# Allegro board Sparrow Core PCB v1.1.brd (continued)
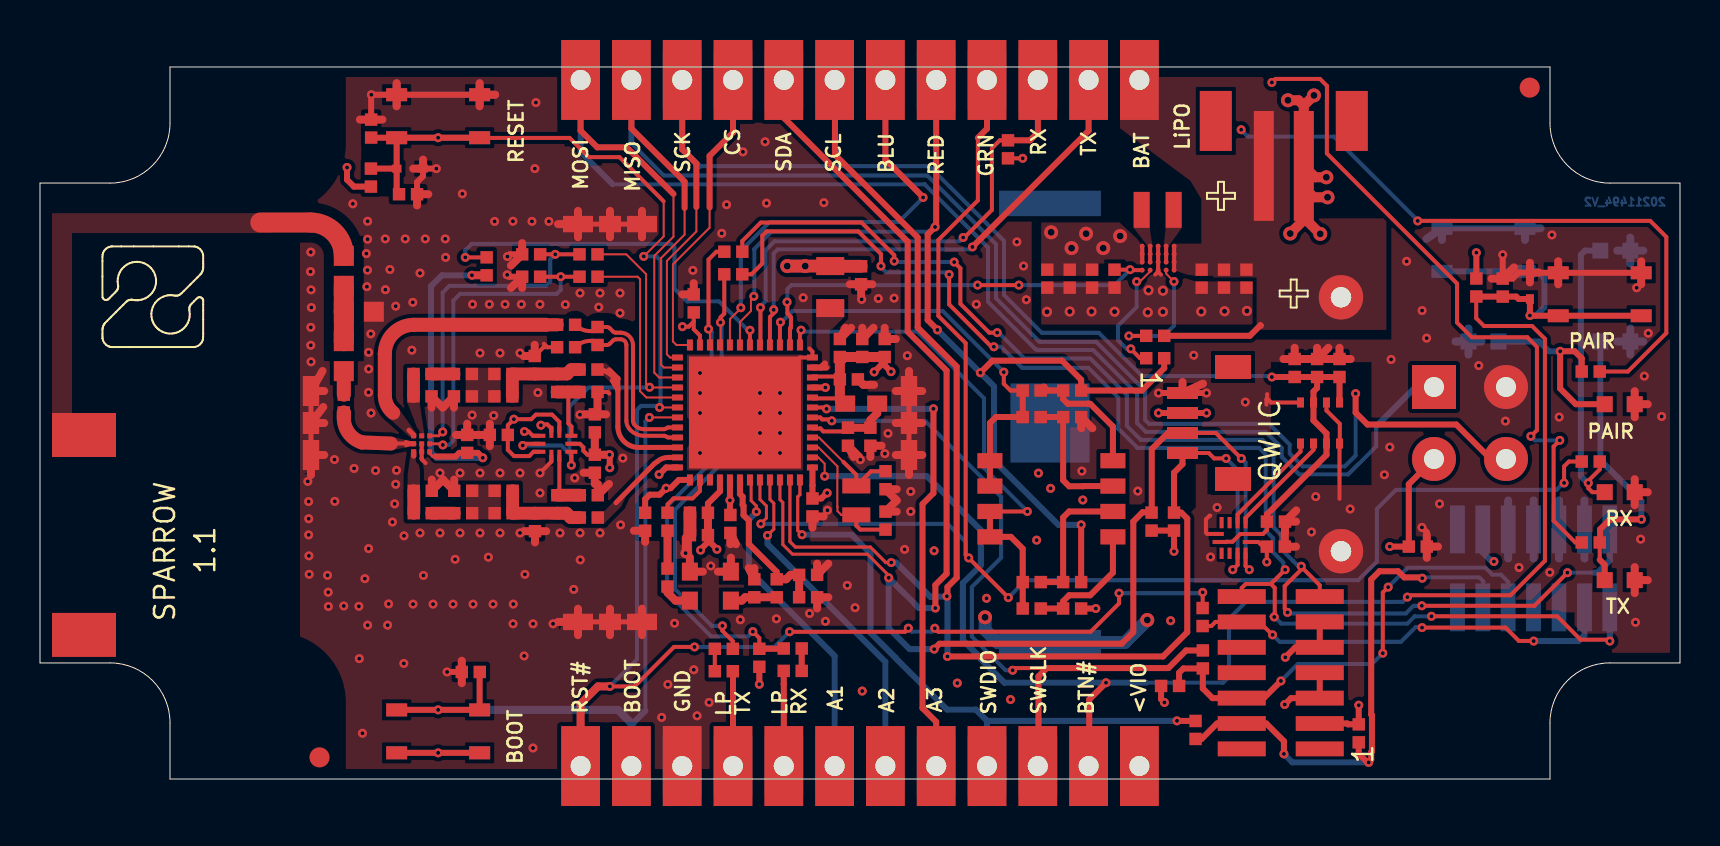
[diagram p0: board, top side]
## Placement (name value [footprint] x y rotation side) (continued)
NOREF#490  -  []  29.95 12.73 0 top
NOREF#491  -  []  39.51 23.56 90 top
NOREF#492  -  []  21.68 5.67 0 top
NOREF#493  -  []  19.16 28.94 90 top
NOREF#494  -  []  32.49 8.92 90 top
NOREF#495  -  []  73.14 24.13 90 top
NOREF#496  -  []  19 12.99 90 top
NOREF#497  -  []  39.23 1.3 0 top
NOREF#498  -  []  34.21 25.25 0 top
NOREF#499  -  []  24.42 25.94 90 top
NOREF#500  -  []  14.69 20.91 0 top
NOREF#501  -  []  32.69 23.34 90 top
NOREF#502  -  []  22.41 20.57 0 top
NOREF#503  -  []  78.64 10.35 0 top
NOREF#504  -  []  39.99 19.99 0 top
NOREF#505  -  []  69.57 25.07 0 top
NOREF#506  -  []  49.45 19.12 90 top
NOREF#507  -  []  56.28 29.37 0 top
NOREF#508  -  []  41.92 21.42 0 top
NOREF#509  -  []  59.25 21.51 0 top
NOREF#510  -  []  41.52 16.67 90 top
NOREF#511  -  []  22.8 16.9 90 top
NOREF#512  -  []  32.5 12.2 0 top
NOREF#513  -  []  35.72 9.09 90 top
NOREF#514  -  []  15.19 18.33 90 top
NOREF#515  -  []  21.67 16.9 90 top
NOREF#516  -  []  77.4 20.07 90 top
NOREF#517  -  []  19.9 14.11 90 top
NOREF#518  -  []  79.91 21.49 90 top
OBJ2  NU  [J-S1001-46R]  13.55 17.81 90 top
OBJ3  NU  [J-S1001-46R]  43.45 17.81 90 top
OBJ4  NU  [J-S1001-46R]  28.5 27.76 0 top
OBJ5  NU  [J-S1001-46R]  28.5 7.86 0 top
PB1  NU  [PB-SKRPA]  19.91 2.38 180 top
PB2  PB-SKRPADE010  [PB-SKRPA]  77.99 24.25 0 top
PB3  NU  [PB-SKRPA]  19.91 33.16 0 top
PB4  NU  [PB-SKRPA]  72.17 26.47 180 bottom
PB5  NU  [PB-SKRPA]  19.91 2.38 0 bottom
PB6  NU  [PB-SKRPA]  19.91 33.16 180 bottom
R1  49.9R  [RS-0402]  34.19 6.51 180 top
R2  49.9R  [RS-0402]  34.19 5.39 0 top
R3  49.9R  [RS-0402]  37.64 6.53 0 top
R4  49.9R  [RS-0402]  37.64 5.41 180 top
R5  10M/5%  [RS-0402]  55.76 22.17 180 top
R6  10M/5%  [RS-0402]  55.76 21.05 180 top
R7  NU  [RS-0402]  56.7 12.88 270 top
R8  NU  [RS-0402]  55.58 12.88 270 top
R9  10k  [RS-0402]  65.94 2.29 270 top
R10  49.9R  [RS-0402]  57.78 2.45 90 top
R11  49.9R  [RS-0402]  58.14 5.98 90 top
R12  49.9R  [RS-0402]  58.13 8.1 90 top
R13  10k  [RS-0402]  56.5 4.66 0 top
R14  200R  [RS-0402]  77.54 11.83 0 top
R15  10k  [RS-0402]  48.4 31.5 270 top
R16  10k  [RS-0402]  35.97 6.07 270 top
R17  200R  [RS-0402]  77.54 15.88 0 top
R18  49.9R  [RS-0402]  77.54 20.38 180 top
R19  22R  [RS-0402]  31.38 10.08 270 top
R20  10k  [RS-0402]  71.82 24.59 90 top
R21  10k  [RS-0402]  16.55 30.08 270 top
R22  10k  [RS-0402]  21.54 5.36 0 top
R23  1k  [RS-0402]  51.61 19.43 0 top
R24  10k  [RS-0402]  51.61 18.11 0 top
R25  1k  [RS-0402]  51.61 9.85 0 top
R26  10k  [RS-0402]  51.61 8.53 0 top
R27  NU  [RS-0402]  49.59 18.11 180 top
R28  NU  [RS-0402]  49.59 8.53 180 top
R29  NU  [RS-0402]  49.59 9.85 180 top
R30  NU  [RS-0402]  49.59 19.43 180 top
R31  100R  [RS-0402]  27.43 26.25 180 top
R32  100R  [RS-0402]  27.43 25.13 0 top
R33  0R  [FRACTUS-0404]  15.19 21.16 270 top
R34  100R  [RS-0402]  22.33 25.65 90 top
R35  NU  [RS-0402]  62.73 20.56 270 top
R36  0R  [RS-0402]  15.19 18.78 270 top
R37  NU  [RS-0402]  34.67 26.38 0 top
R38  NU  [RS-0402]  34.66 25.25 0 top
TVS1  ESD5Z5.0T1G  [SOD523]  74.5 24.67 90 top
TVS2  NU  [SOD523]  18.49 30.53 0 top
U1  RP605Z333B-E2-F  [XFBGA20]  55.91 26.06 270 top
U2  NU  [IC-BME280]  64 17.81 270 top
U3  STM32WL55CCU7  [UFQFPN48-EXP-0700X0700]  35.25 18.34 270 top
U4  TS3A5223RSWR  [UFQFN10-0180X0140]  25.77 16.77 270 top
U5  NU  [TO5-4]  71.5 17.81 0 top
U6  BGS13S4N9E6327XTSA1  [XFLGA9]  19.08 16.77 180 top
U7  NU  [UFQFN12-0180X0180]  59.68 12.06 180 top
Y1  ABS06-107-32.768KHZ-T  [Y-ABS06]  40.81 13.94 90 top
Y2  TYETBCSANF-32.000000  [Y-TYETBCSANF]  33.52 9.65 180 top

## Library data of the parts
ANT1 = ANT - NN02-224 - LTE-GNSS-BL
BAT1 = PORTA BATTERIA - 2468
BAT2 = PORTA BATTERIA - 3034-2032
C1 = CS-C-0402-22u/6.3V/X5R
C2 C5 = CS-C-0402-1u/16-X5R
C3 C6-C9 C14 C22 C23 C25 C28 C29 C49 C53 = CS-C-0402-100n/16V
C4 = CS-C-0402-10u/6V3-X5R
C10 C20 = CS-C-0402-4.7u/6V3-X5R: room: DC-DC 1V8
C11 C13 C19 C32 C40 = CS-C-0402-100n/16V: room: USB
C12 = CS-C-0402-4.7u/6V3-X5R
C15 C16 = CS-C-0402-4p/50V-C0G
C17 = CS-C-0402-10p/50V-NP0
C18 = CS-C-0402-3.6p/50V-C0G
C24 = CS-C-0402-68p/50V-C0G
C26 C30 C31 C37 C39 C41 C42 = CS-C-0402-33p/50V-C0G
C27 = CS-C-0402-470n/10V-X5R
C33 = CS-C-0402-47n/25V
C34 = CS-C-0402-47p/50V-C0G
C35 C36 C47 = CS-C-0402-2.7p/50V-C0G
C38 = CS-C-0402-2.4p/50V-C0G
C43 = CS-C-0402-6.8p/50V-C0G
C44 = CS-C-0402-5.6p/50V-C0G
C45 = CS-C-0402-3.9p/50V-C0G
C46 = CS-C-0402-3.3p/50V-C0G
C48 = CS-C-0402-1.3p/50V-C0G
C50-C52 = CS-C-0402-1n/50V
C54 C55 = CS-C-0402-100n/16V: room: MODEM
DSW1 = DIP-SW-4x-0127-SMD
FID1 FID2 = FIDUCIAL
J1 J2 = STRIP-J-12-0254 - FDT
J3 = PH - J-2-0200-MDS-B2B-PH-SM4
J4 = SH - J-4-0100-MDS-SH-BM04B
J5 J6 = STRIP-J-7X2-0127-MDS-21691
L1 = L - 1285AS-H-2R2M=P2-2.2u/1.5A
L2 = FIL-BLM18AG102SN1-1k/0.4A
L3 = L - LQM21DN150M70L-15u/0.25A
L4 R33 R36-R38 = RS-0402-0r
L5 = L -MLG1005S11NJT000-11n/0.4A
L6 L12 = L - L-07C3N3SV6T-3.3n/0.3A
L7 = L -PE-0402CL3N6STT-3.6n/0.3A
L8 L11 = L - LQW15AN47NJ00D - 47n/0.21A
L9 = L - LQG15HS3N0S02D-3n/0.8A
L10 = L -LQG15WZ8N7J02D-8.7n/0.55A
L13 = L - L-07C6N8JV6T-6.8n/0.25A
L14 = L -LQW18AN19NG80-19n/1.4A
L15 = L -LQW15AN5N7G80-5.7n/1.77A
LD1 LD4 = LED R - GENERICO - 0603
LD2 LD5 = LED V - GENERICO - 0603
LD3 LD6 = LED BL - LBQ39E - 0603
OBJ2-OBJ5 = SUPPORT RF SHIELD - S1001-46R
PB1-PB6 = PB-SPST-SKRPADE010
R1-R4 R18 = RS-0402-49.9r
R5 R6 = RS-0402-10M/5%
R7 R8 = RS-0402-4.7k
R9 R13 R15 R16 R20-R26 = RS-0402-10k
R10-R12 = RS-0402-49.9r: room: DEBUG BLUETOOTH
R14 R17 = RS-0402-200r
R19 = RS-0402-22r
R27-R30 = RS-0402
R31 R32 R34 = RS-0402-100r
R35 = RS-0402-2.2M
TVS1 TVS2 = TVS-UNI - ESD5Z5.0T - 5V/174W
U1 = BUCK-BOOST-RP605Z333B-0.3A/3V3
U2 = SEN-TEMP-PRS-HUM - BME280
U3 = UC-48P - STM32WL55CCU7
U4 = ASW-2x2-1- TS3A5223RSWR
U5 = SEN-PIR - PYD 1598/7655
U6 = RF-SW - BGS13S4N9E6327XTSA1
U7 = LEVEL SHIFTER-4x - FXMAR2104UMX: room: MODEM
Y1 = QUARZO-ABS06-107-32.768KHZ-T
Y2 = OSCILLATORE - TYETBCSANF-32MHz

## Footprints (pads in the part's own frame, mm; a bottom-side part is the same pattern mirrored in y, then rotated)
ANT-NN02-224
  rect 2.2x3.2 smd: 1(5,0) 2(-5,0)
BATHLD-2468-NOMECC
  round 2.22 hole 1.02: 1(23.9,-6.35) 2(23.9,6.35)
BATHLD-3034-2032
  rect 1.27x5.08 smd: 1(-10.985,0) 2(10.985,0)
  rect 3.96x3.96 smd: 3(0,0)
CS-C-0402
  rect 0.62x0.62 smd: 1(-0.45,0) 2(0.45,0)
DSS-4-0127-MCDHN
  rect 0.76x1.25 smd: 1(-1.905,-3.075) 2(-0.635,-3.075) 3(0.635,-3.075) 4(1.905,-3.075) 5(1.905,3.075) 6(0.635,3.075) 7(-0.635,3.075) 8(-1.905,3.075)
FIDUCIAL
  round 1 smd: 1(0,0)
FRACTUS-0404
  rect 1x1 smd: 1(-0.75,0) 2(0.75,0)
IC-BME280
  rect 0.5x0.35 smd: 1(1.025,0.975) 2(1.025,0.325) 3(1.025,-0.325) 4(1.025,-0.975) 5(-1.025,-0.975) 6(-1.025,-0.325) 7(-1.025,0.325) 8(-1.025,0.975)
J-2-0200-MDS-B2B-PH-SM4
  rect 1.6x3 smd: (-5.4,2.25) (1.4,2.25)
  rect 1x5.5 smd: 1(-3,0) 2(-1,0)
J-4-0100-MDS-SH
  rect 1.2x1.8 smd: (-1.3,2.525) (4.3,2.525)
  rect 0.6x1.55 smd: 1(0,0) 2(1,0) 3(2,0) 4(3,0)
J-7X2-0127-MDS-21691
  rect 0.74x2.4 smd: 1(-3.81,-1.95) 2(-3.81,1.95) 3(-2.54,-1.95) 4(-2.54,1.95) 5(-1.27,-1.95) 6(-1.27,1.95) 7(0,-1.95) 8(0,1.95) 9(1.27,-1.95) 10(1.27,1.95) 11(2.54,-1.95) 12(2.54,1.95) 13(3.81,-1.95) 14(3.81,1.95)
J-12-0254-FDT-H0508_EDGE
  rect 1.94x4 hole 1: 1(-13.97,-0.65) 2(-11.43,-0.65) 3(-8.89,-0.65) 4(-6.35,-0.65) 5(-3.81,-0.65) 6(-1.27,-0.65) 7(1.27,-0.65) 8(3.81,-0.65) 9(6.35,-0.65) 10(8.89,-0.65) 11(11.43,-0.65) 12(13.97,-0.65)
J-S1001-46R
  rect 1.5x0.82 smd: 1(-1.6,0) 3(1.6,0)
  rect 1.1x0.82 smd: 2(0,0)
LD-0603
  rect 0.8x0.8 smd: 1(-0.75,0) 2(0.75,0)
LS-0402
  rect 0.62x0.62 smd: 1(-0.45,0) 2(0.45,0)
LS-0603
  rect 1x0.8 smd: 1(-0.8,0) 2(0.8,0)
LS-0805
  rect 0.9x1.4 smd: 1(-1.05,0) 2(1.05,0)
LS-0806
  rect 0.8x1.8 smd: 1(-0.8,0) 2(0.8,0)
PB-SKRPA
  rect 1.05x0.65 smd: 1(-2.075,1.075) 2(2.075,1.075) 3(-2.075,-1.075) 4(2.075,-1.075)
RS-0402
  rect 0.62x0.62 smd: 1(-0.45,0) 2(0.45,0)
SOD523
  rect 0.48x0.4 smd: 1(-0.66,0) 2(0.66,0)
TO5-4
  rect 2.2x2.2 hole 1: 1(-1.8,1.8)
  round 2.2 hole 1: 2(-1.8,-1.8) 3(1.8,-1.8) 4(1.8,1.8)
UFQFN10-0180X0140
  rect 0.6x0.2 smd: 1(-0.6,0.2) 2(-0.6,-0.2) 6(0.6,-0.2) 7(0.6,0.2)
  rect 0.2x0.6 smd: 3(-0.4,-0.8) 4(0,-0.8) 5(0.4,-0.8) 8(0.4,0.8) 9(0,0.8) 10(-0.4,0.8)
UFQFN12-0180X0180
  rect 0.588x0.2 smd: 1(-0.756,0.2)
  rect 0.563x0.2 smd: 2(-0.768,-0.2) 7(0.768,-0.2) 8(0.768,0.2)
  rect 0.2x0.563 smd: 3(-0.6,-0.768) 4(-0.2,-0.768) 5(0.2,-0.768) 6(0.6,-0.768) 9(0.6,0.768) 10(0.2,0.768) 11(-0.2,0.768) 12(-0.6,0.768)
UFQFPN48-EXP-0700X0700
  rect 0.55x0.3 smd: 1(-3.375,2.75) 2(-3.375,2.25) 3(-3.375,1.75) 4(-3.375,1.25) 5(-3.375,0.75) 6(-3.375,0.25) 7(-3.375,-0.25) 8(-3.375,-0.75) 9(-3.375,-1.25) 10(-3.375,-1.75) 11(-3.375,-2.25) 12(-3.375,-2.75) 25(3.375,-2.75) 26(3.375,-2.25) 27(3.375,-1.75) 28(3.375,-1.25) 29(3.375,-0.75) 30(3.375,-0.25) 31(3.375,0.25) 32(3.375,0.75) 33(3.375,1.25) 34(3.375,1.75) 35(3.375,2.25) 36(3.375,2.75)
  rect 0.3x0.55 smd: 13(-2.75,-3.375) 14(-2.25,-3.375) 15(-1.75,-3.375) 16(-1.25,-3.375) 17(-0.75,-3.375) 18(-0.25,-3.375) 19(0.25,-3.375) 20(0.75,-3.375) 21(1.25,-3.375) 22(1.75,-3.375) 23(2.25,-3.375) 24(2.75,-3.375) 37(2.75,3.375) 38(2.25,3.375) 39(1.75,3.375) 40(1.25,3.375) 41(0.75,3.375) 42(0.25,3.375) 43(-0.25,3.375) 44(-0.75,3.375) 45(-1.25,3.375) 46(-1.75,3.375) 47(-2.25,3.375) 48(-2.75,3.375)
  rect 5.6x5.6 smd: 49(0,0)
unnamed#2
  round 0 hole 2.5 unplated: (0,0)
XFBGA20
  round 0.245 smd: A1(-0.6,0.8) A2(-0.6,0.4) A3(-0.6,0) A4(-0.6,-0.4) A5(-0.6,-0.8) B1(-0.2,0.8) B2(-0.2,0.4) B3(-0.2,0) B4(-0.2,-0.4) B5(-0.2,-0.8) C1(0.2,0.8) C2(0.2,0.4) C3(0.2,0) C4(0.2,-0.4) C5(0.2,-0.8) D1(0.6,0.8) D2(0.6,0.4) D3(0.6,0) D4(0.6,-0.4) D5(0.6,-0.8)
XFLGA9
  rect 0.25x0.25 smd: 1(-0.4,-0.4) 2(0,-0.4) 3(0.4,-0.4) 4(0.4,0) 5(0.4,0.4) 6(0,0.4) 7(-0.4,0.4) 8(-0.4,0) 9(0,0)
Y-ABS06
  rect 0.75x1.4 smd: 1(-0.725,0) 2(0.725,0)
Y-TYETBCSANF
  rect 0.8x0.9 smd: 1(-1.025,-0.725) 2(1.025,-0.725) 3(1.025,0.725) 4(-1.025,0.725)

## Nets
GND: BAT1.2 BAT2.3(-) C1.2 C2.2 C3.2 C4.2 C5.2 C6.2 C7.2 C8.2 C9.2 C10.1 C11.1 C12.1 C13.1 C14.1 C15.1 C16.1 C19.2 C20.2 C22.2 C23.2 C24.2 C25.1 C26.2 C27.2 C28.2 C29.2 C30.2 C31.2 C32.2 C33.2 C34.2 C35.1 C40.2 C41.2 C42.2 C43.2 C44.2 C45.2 C46.2 C47.2 C48.2 C49.2 C50.2 C51.2 C52.2 C53.2 C54.2 C55.2 J1.10 J3.2 J4.1 J5.5 J5.7 J5.9 J5.11 J6.5 J6.7 J6.9 J6.11 L15.2 LD1.1(C) LD2.1(C) LD3.1(C) LD4.1(C) LD5.1(C) LD6.1(C) OBJ2.1 OBJ2.2 OBJ2.3 OBJ3.1 OBJ3.2 OBJ3.3 OBJ4.1 OBJ4.2 OBJ4.3 OBJ5.1 OBJ5.2 OBJ5.3 PB2.1 PB2.2 PB3.1 PB3.2 PB4.1 PB4.2 PB6.1 PB6.2 R13.1 R22.1 R24.2 R26.2 R35.1 TVS1.2 TVS2.2 U1.A3 U1.B3 U1.C3 U1.D3 U2.1 U2.5 U2.7 U3.48 U3.49(VSS_EP) U4.6 U5.4(VSS) U6.6 U6.9 U7.7 Y2.1 Y2.2
VBAT: BAT1.1 BAT2.1 BAT2.2 C4.1 C5.1 C6.1 J2.12 J3.1 R5.1 U1.A1 U1.B1 U1.C1 U1.D1
VDDPA: C31.1 U3.25 U4.3
VDDRF1V55: C27.1 C30.1 L3.2 U3.29 U3.45 U4.2
+VIO: C1.1 C2.1 C3.1 C10.2 C11.2 C14.2 C19.1 C20.1 C25.2 C26.1 C40.1 C49.1 C53.1 C55.1 J1.1 J4.2 J5.3 J6.3 L2.1 PB1.1 PB1.2 PB5.1 PB5.2 R7.2 R8.2 R9.1 R15.2 R16.2 R20.2 R21.2 U1.A5 U1.B5(VOUT_B) U1.C5 U3.11 U3.28 U3.37 U3.44 U3.46 U4.1(VCC) U4.5 U5.2 U7.1(VCCB)
A0: C7.1 U1.D5 U3.2
A1: J1.7 U3.31
A2: J1.6 U3.33
A3: J1.5 U3.43
BOLX: L1.1(C) U1.A4 U1.B4 U1.C4
BOOT: J1.11 PB1.3 PB1.4 PB5.3 PB5.4 R22.2 U3.19
BULX: L1.2 U1.A2 U1.B2 U1.C2
BUTTON1: C22.1 J1.2 PB2.3 PB2.4 PB4.3 PB4.4 R20.1 TVS1.1(C) U3.38
FE_CTRL1: R31.1 U3.16 U4.4 U4.8
FE_CTRL2: R32.2 U3.17
FE_CTRL3: R34.2 U3.6
I2C2_SCL: J2.6 J4.4 R7.1 U3.35 U7.11
I2C2_SCL_BME: U2.4 U7.4
I2C2_SDA: J2.5 J4.3 R8.1 U3.34 U7.12
I2C2_SDA_BME: U2.3 U7.3
LED_BLUE: J2.7 R18.1 U3.8
LED_GREEN: J2.9 R17.1 U3.32
LED_RED: J2.8 R6.1 R14.1 R23.2 R25.2 U3.7
LPUART1-UC-RX_DEV-TX: R3.1 R16.1 R37.1 U3.10
LPUART1-UC-TX_DEV-RX: R1.1 R38.1 U3.9
NRST: C23.1 C29.1 J1.12 PB3.3 PB3.4 PB6.3 PB6.4 R12.2 R21.1 TVS2.1(C) U3.18
RF1_50OHM: C18.1 U6.3
RF2: C47.1 L13.2 U6.5
RF3: C48.1 L10.2 U6.2
RF_HP_50OHM: C38.2 C43.1 L7.1(C) L11.2 L12.1(C)
RF_LP_50OHM: C36.1 C44.1 L6.1(C) L8.2 L9.1(C)
RFI+: C18.2 L5.2 U3.20
RFI-: C35.2 L5.1(C) U3.21
RFSEL_0: DSW1.3 DSW1.4 R28.2 R29.2 U3.1
RFSEL_1: DSW1.1 DSW1.2 R27.2 R30.2 U3.3
SPI1_CS: J2.4 U3.12
SPI1_MISO: J2.2 U3.14 U5.3
SPI1_MOSI: J2.1 U3.15 U5.1
SPI1_SCK: C8.1 C9.1 C54.1 J2.3 R35.2 U2.2 U2.6(VDDIO) U2.8 U3.13 U7.2 U7.8
SWC: J5.6 J6.6 R11.1 R13.2
SWCLK: J1.3 R11.2 U3.42
SWD: J5.4 J6.4 R9.2 R10.1
SWDIO: J1.4 R10.2 U3.36
SWR: J5.12 J6.12 R12.1
USART1-UC-RX_DEV-TX: J2.10 R15.1 U3.5
USART1-UC-TX_DEV-RX: J2.11 U3.4
VCP_RX: J5.13 J6.13 R37.2
VCP_TX: J5.14 J6.14 R38.2
VR_PA: C24.1 C33.1 U3.24 U4.9
N17278494: C12.2 C13.2 L2.2 U3.41
N17280094: C16.2 U3.39 Y1.1
N17280099: C15.2 U3.40 Y1.2
N17288799: L3.1(C) U3.47
N17291507: C42.1 L11.1(C) U4.7
N17292369: L7.2 U3.23
N17293081: L6.2 U3.22
N17293092: C41.1 L8.1(C) U4.10
N17294844: C38.1 C39.1 C45.1 L12.2
N17295415: C39.2 L13.1(C)
N17295858: C36.2 C37.1 C46.1 L9.2
N17296104: C37.2 L10.1(C)
N17304171: R5.2 U1.D2
N17304805: R6.2 U1.D4
N17308903: LD3.2 LD6.2 R18.2
N17308944: LD1.2 LD4.2 R14.2
N17309023: LD2.2 LD5.2 R17.2
N17347758: DSW1.8 R23.1 R30.1
N17347760: DSW1.7 R24.1 R27.1
N17347762: DSW1.6 R25.1 R29.1
N17347764: DSW1.5 R26.1 R28.1
N17349907: C28.1 C34.1 L4.1 U3.30
N17372578: C32.1 L4.2 Y2.4(VDD)
N17376183: C17.2 R19.1
N17376186: R19.2 Y2.3
N17376189: C17.1 U3.26
N17488667: J1.8 R4.2
N17488677: R3.2 R4.1
N17488699: J1.9 R2.2
N17488701: R1.2 R2.1
N17495159: C50.1 R31.2 U6.1
N17495215: C51.1 R32.1 U6.8
N17495232: ANT1.1 L14.1(C)
N17495234: L14.2 L15.1(C) R33.1
N17495240: R33.2 R36.1
N17495242: R36.2 U6.4
N17495244: C52.1 R34.1 U6.7(VDD)

Pads without a net: ANT1 2; FID1 1; FID2 1; J5 1 2 8 10; J6 1 2 8 10; U3 27; U7 5 6 9 10

## Via types
v1: diameter 0.45, hole 0.2, TOP to BOTTOM, 354 vias
v2: diameter 0.7, hole 0.35, TOP to BOTTOM, 15 vias
v3: diameter 0.508, hole 0.254, TOP to BOTTOM, 11 vias

## Routing (per net, layer and track width the routed paths; a pad name or vN(x,y) marks a point on that pad's centre or on a via; arc(x,y) is an arc through that point)
GND: length 207.7
  TOP w0.2: 25.37,21.6 25.18,21.6 C44.2 ; 25.37,21.6 25.19,21.78 ; 25.37,21.6 C35.1 ; 63.02,18.84 61.56,18.84 61.36,19.04 ; C34.2 38.86,10.21 ; v1(25,15.31) 25.57,15.88 U4.6 ; 55.91,25.38 55.91,25.37 56.05,25.23 ; 55.91,25.38 55.76,25.23 ; 55.91,25.38 U1.D3 U1.C3 U1.B3 U1.A3 ; 19.08,16.06 19.08,16 19.28,15.8 ; 19.08,16.06 19.08,16.05 ; 19.08,16.06 U6.6 U6.9 ; 64.97,14.02 U2.1 64.99,16.8 64.99,17.77 64.33,18.43 64.33,18.84 ; 61.36,19.04 61.32,19 61.32,18.73 ; 61.36,19.04 61.36,19.26 ; 28.46,19.28 28.38,19.36 C41.2 ; 38.47,21.54 38.62,21.38 U3.48 38,21.09 U3.49 ; U7.7 58.91,12.26 58.37,12.26 58.3,12.33 58.3,12.95 58.29,12.95 58.3,12.97 58.3,13 58.48,13.17 58.51,13.17
  TOP w0.25: OBJ5.1 OBJ5.2 OBJ5.3 ; OBJ4.3 OBJ4.2 OBJ4.1 ; OBJ3.1 OBJ3.2 OBJ3.3 ; OBJ2.3 OBJ2.2 OBJ2.1
  TOP w0.3: v1(62.27,6.09) 62.76,6.59 J6.9 J6.11 ; v1(58.33,19.31) J4.1 v1(55.92,19.31) ; R13.1 56.05,4 v1(56.22,3.83) ; J6.7 J6.5 62.56,4.05 v1(62.24,3.73) ; LD3.1 79.56,18.75 ; R22.1 v1(20.35,5.36) ; v1(69.1,12.59) 69.34,12.35 69.34,12.19 ; C50.2 23.48,26.25 v1(23.37,26.13) ; R26.2 v1(52.79,8.53) ; PB2.2 PB2.1 74.51,25.32 TVS1.2 73.93,25.33 73.63,25.03 C22.2 v1(73.14,26.23) ; LD2.1 79.56,14.35 ; v1(19.82,30.53) TVS2.2 19.15,30.16 18.85,29.86 C23.2 ; LD1.1 79.56,9.95 ; C51.2 23.45,25.13 v1(23.36,25.22) ; PB3.2 PB3.1 v1(16.57,34.23) 16.57,34.15 16.56,34.14 C29.2
  TOP w0.4: C33.2 28.3,18.24 ; C33.2 27.18,18.24 ; C33.2 27.88,18.38 C41.2 ; 20.7,18.58 C46.2 20.14,18.58 ; 43.45,15.21 OBJ3.1 ; OBJ3.1 44.11,16.21 ; OBJ3.1 42.79,16.21 ; 26.9,27.1 OBJ4.1 ; OBJ4.1 25.9,27.76 ; OBJ4.1 26.9,28.42 ; 42.84,13.94 C16.1 42.84,13.38 ; 38.86,10.77 C34.2 39.42,10.77 ; 21.93,17.21 C40.2 ; C40.2 22.49,16.65 ; C40.2 22.49,17.78 ; OBJ3.3 43.45,20.41 ; OBJ3.3 42.79,19.41 ; OBJ3.3 44.11,19.41 ; 62.24,12.19 C55.2 62.8,11.63 ; 80.06,25.9 PB2.2 80.06,24.75 ; 13.55,15.21 OBJ2.1 14.21,16.21 ; 20.8,17.21 C52.2 ; C52.2 21.92,17.21 ; C52.2 21.36,17.78 ; 26.9,7.2 OBJ5.1 ; OBJ5.1 26.9,8.52 ; OBJ5.1 25.9,7.86 ; C54.2 62.81,13.44 ; C54.2 62.25,12.32 ; C54.2 62.8,12.88 ; 57.12,19.86 J4.1 58.15,19.78 ; 27.18,15.32 C24.2 27.74,14.76 ; 72.57,25.03 C22.2 73.7,25.59 ; LD2.1 79.74,15 ; LD2.1 79.74,13.7 ; LD2.1 80.39,14.35 ; 40.27,22.57 C19.2 40.55,22.57 ; 42.79,17.81 OBJ3.2 44.11,17.81 ; 16,32.99 C29.2 17.12,32.99 ; 33.15,10.37 Y2.2 32.49,11.08 ; 29.7,12.42 C31.2 30.26,11.86 ; 20.15,14.98 C45.2 20.71,14.98 ; 14.21,17.81 OBJ2.2 14.16,18.61 ; 42.23,22.57 C10.1 42.8,22.01 ; C8.2 65.54,21.01 ; C8.2 64.97,21.57 ; C8.2 C9.2 ; 23.55,25.69 C50.2 24.11,26.81 ; 27.89,14.76 C42.2 28.45,14.76 ; 33.89,10.37 Y2.1 34.54,11.08 ; 79.74,9.3 LD1.1 ; LD1.1 79.74,10.6 ; LD1.1 80.39,9.95 ; 17.83,34.81 PB3.1 17.83,33.66 ; 42.84,13.94 C15.1 42.84,14.5 ; 39.18,13.13 C14.1 38.62,12.57 ; 62.17,21.01 R35.1 ; R35.1 62.73,21.01 63.85,21.01 C9.2 ; R35.1 62.73,21.57 ; 21.09,4.79 R22.1 21.09,5.92 ; 34.8,11.75 C30.2 34.52,11.75 ; 28.5,27.1 OBJ4.2 28.5,28.42 ; C43.2 25.31,12.4 ; C43.2 24.75,11.84 ; C43.2 24.19,12.4 ; 35.72,10.55 C32.2 35.44,10.55 ; 79.74,18.1 LD3.1 ; LD3.1 80.39,18.75 ; LD3.1 79.74,19.4 ; PB3.2 21.98,34.81 ; PB3.2 22.76,34.23 ; PB3.2 21.98,33.66 ; 20.14,18.58 C48.2 19.58,18.58 ; 41.05,24.19 C27.2 ; C27.2 40.49,24.75 ; C27.2 41.62,24.75 ; 41.11,22.57 C11.1 41.67,22.57 ; 19.59,14.98 C47.2 20.15,14.98 ; 52.62,17.55 R24.2 52.06,17.55 ; 28.5,8.52 OBJ5.2 28.5,7.2 ; 69.34,11.07 C49.2 ; C49.2 69.9,11.63 ; C49.2 69.34,12.19 ; 38.86,8.53 C28.2 39.42,9.09 ; 40.68,16.11 C13.1 40.96,16.11 ; C20.2 41.17,19.72 41.7,19.72 ; 30.1,28.42 OBJ4.3 30.1,27.1 ; 30.1,7.2 OBJ5.3 30.1,8.52 ; TVS1.2 74.5,25.82 ; TVS1.2 74.95,25.33 ; TVS1.2 74.5,24.84 ; 24.74,21.72 C44.2 24.18,21.16 ; 18.66,30.53 TVS2.2 19.15,30.99 ; 24.11,24.57 C51.2 23.55,24.57 ; C9.2 64.42,21.57 ; C9.2 63.85,21.57 ; 32.69,24.8 C53.2 32.13,24.24 ; 19.41,29.25 C23.2 18.85,28.69 ; 75.91,25.9 PB2.1 75.91,24.75 ; 42.08,16.67 C12.1 41.52,16.11 ; 14.13,20.41 OBJ2.3 14.21,19.41
  TOP w0.5: v2(62.51,27.29) 63.19,27.97 63.19,28.09 ; 63.19,29.6 63.69,29.1 v2(64.38,29.1) ; 63.19,29.6 63.19,28.09 ; 63.19,29.6 J3.2 ; 63.19,28.09 v2(64.01,27.27) ; v2(64.32,30.1) 63.76,30.1 J3.2 ; J3.2 63.19,33.69 ; v2(62.4,33.95) 62.93,33.95 63.19,33.69 ; 63.19,33.69 v2(63.7,34.2) ; v1(32.28,11.3) 32.34,11.37 32.34,12.04 C25.1
  TOP w0.64: C26.2 C25.1
  BOTTOM w0.2: 73.85,10.69 v1(73.95,10.58)
  BOTTOM w0.3: PB3.2 PB3.1 v1(16.57,34.23) ; PB4.1 PB4.2
  BOTTOM w0.4: 74.68,13.94 J5.7 74.68,11.03 ; LD5.1 79.51,27.09 ; LD5.1 79.51,25.78 ; LD5.1 78.86,26.44 ; LD5.1 80.16,26.44 ; 21.98,33.66 PB3.2 ; PB3.2 21.98,34.81 ; PB3.2 22.76,34.23 ; 75.95,13.94 J5.9 75.95,11.03 ; 70.1,26.97 PB4.2 69.32,27.02 ; 75.02,27.55 PB4.1 74.25,26.97 ; 17.83,34.81 PB3.1 17.83,33.66 ; 77.22,11.03 J5.11 77.22,13.94 ; 73.41,13.94 J5.5 73.41,11.03 ; LD6.1 72.07,21.89 ; LD6.1 71.42,21.24 ; LD6.1 70.77,21.89 ; LD6.1 71.42,22.54 ; 78.86,21.89 LD4.1 ; LD4.1 79.51,22.54 ; LD4.1 80.16,21.89 ; LD4.1 79.51,21.24
  vias: v1(13.39,14.89) v1(13.43,13.88) v1(13.43,13.02) v1(13.43,12.21) v1(13.45,11.16) v1(13.54,26.36) v1(13.53,25.38) v1(13.54,22.6) v1(13.54,21.7) v1(13.46,10.24) v1(13.55,24.47) v1(13.57,23.59) v1(13.55,20.87) v1(14.37,10.19) v1(14.41,9.34) v1(14.42,8.63) v1(14.72,15.98) v1(14.74,13.89) v1(15.19,8.66) v1(15.64,28.78) v1(15.7,15.54) v1(15.94,8.64) v1(15.96,6.02) v1(16.12,2.29) v1(16.24,10.02) v1(16.32,26.28) v1(16.35,24.63) v1(16.38,27.9) v1(16.38,27) v1(16.37,25.46) v1(16.43,21.34) v1(16.43,20.51) v1(16.43,19.34) v1(16.43,11.53) v1(16.38,7.7) v1(16.54,22.27) v1(16.55,18.31) v1(16.78,15.43) v1(17.26,27.02) v1(17.27,24.48) v1(17.43,8.76) v1(17.38,7.7) v1(17.5,25.49) v1(17.62,12.86) v1(17.73,13.77) v1(17.79,23.65) v1(17.82,15.44) v1(17.79,14.75) v1(18.2,12.17) v1(18.19,5.78) v1(18.26,27.02) v1(18.64,23.85) v1(18.59,21.45) v1(18.65,8.75) v1(19,25.31) v1(19,12.31) v1(19.17,10.18) v1(19.26,27.02) v1(19.65,8.75) v1(20,15.31) v1(20,12.31) v1(20.26,27.02) v1(20.28,26.09) v1(20.65,8.75) v1(20.76,10.99) v1(21,15.31) v1(21,12.31) v1(21.12,29.27) v1(21.63,23.75) v1(21.6,18.21) v1(21.65,8.75) v1(22,21.31) v1(22,15.31) v1(22,12.31) v1(22.42,11.1) v1(22.47,23.75) v1(22.73,27.89) v1(22.69,18.19) v1(22.65,8.75) v1(23,21.31) v1(23,15.31) v1(23,12.31) v1(23.25,23.75) v1(23.65,27.9) v1(23.66,8.75) v1(23.65,7.77) v1(24,21.31) v1(24,15.31) v1(24,12.31) v1(24.07,23.75) v1(24.25,10.24) v1(24.21,6.16) v1(24.6,27.9) v1(24.65,1.55) v1(24.74,30.54) v1(24.65,7.77) v1(24.8,33.84) v1(24.89,19.33) v1(25,23.75) v1(25,14.31) v1(25.45,27.9) v1(25.65,7.77) v1(26,12.31) v1(26.27,23.74) v1(26.74,15.06) v1(26.69,9.49) v1(27,24.31) v1(27,18.23) v1(27,12.31) v1(27.01,10.96) v1(27.94,23.6) v1(28,24.31) v1(28,12.31) v1(29,24.31) v1(29,23.31) v1(29.03,12.71) v1(29.14,16.05) v1(31.08,3.08) v1(31.39,4.73) v1(31.73,7.79) v1(32.64,25.45) v1(32.69,5.47) v1(32.85,3.16) v1(33,20.31) v1(33,19.31) v1(33,18.31) v1(33,16.31) v1(33.54,10.66) v1(33.45,3.83) v1(34.09,27.3) v1(34.33,28.73) v1(35.02,7.97) v1(35.15,31.37) v1(36,19.31) v1(36,18.31) v1(36,17.31) v1(36,16.31) v1(36.25,31.88) v1(36.32,28.81) v1(36.82,8.01) v1(37,19.31) v1(37,18.31) v1(37,17.31) v1(37,16.31) v1(38.16,24.08) v1(38.48,8.28) v1(39.19,28.83) v1(39.27,7.89) v1(39.37,13.45) v1(40.36,9.69) v1(40.75,8.57) v1(41.02,15.97) v1(41.08,23.99) v1(41.11,4.4) v1(41.92,24.04) v1(42.25,16.28) v1(42.4,17.29) v1(42.71,24.06) v1(43.23,11.49) v1(43.37,21.18) v1(43.54,14.39) v1(43.54,13.39) v1(44.71,11.42) v1(45.87,4.8) v1(46.82,23.75) v1(47.33,9.04) v1(48.52,3.98) v1(48.85,26.87) v1(49.18,25.66) v1(49.31,23.98) v1(49.83,11.95) v1(49.92,15.3) v1(50.53,14.54) v1(52.09,15.4) v1(52.14,13.96) v1(54.89,14.4) v1(56.53,7.92) v1(57.69,21.2) v1(58.53,11.11) v1(58.86,13.58) v1(60.27,18.86) v1(63.57,12.36) v1(63.79,14.12) v1(65.51,13.51) v1(67.22,15.22) v1(67.49,16.6) v1(67.55,20.99) v1(68.33,25.9) v1(69.1,23.43) v1(69.33,22.06) v1(69.98,13.77) v1(71.94,20.68) v1(73.27,17.91) v1(75.49,10.34) v1(75.6,27.22) v1(75.96,18.11) v1(79.83,24.57) v1(79.77,7.84) v1(80.03,12) v1(80.22,20.15) v1(80.41,22.3) v1(81.08,18.14) v3(50.35,23.37) v3(51.49,23.39) v3(52.58,23.39) v3(53.73,23.38) v3(55.43,24.45) v3(55.39,23.34) v3(56.15,24.43) v3(56.15,23.37) v3(58.06,23.39) v3(59.23,23.4) v3(60.35,23.41)
VBAT: length 45.2
  TOP w0.2: U1.A1 U1.B1 U1.C1 U1.D1
  TOP w0.3: 61.05,22.68 61.02,22.7 60.49,22.17 R5.1
  POWER w0.64: v2(47.25,8.09) 47.39,7.95 v2(55.36,7.95) 55.36,8.91 60.97,14.52 60.97,21.84 63.3,24.16 64.78,24.16 64.79,24.18 64.97,24.18 BAT1.1
  BOTTOM w0.64: v2(55.36,7.95) 54.24,6.83 BAT2.2 47.89,6.83 47.25,7.46 v2(47.25,8.09)
VDDPA: length 14.2
  TOP w0.2: v1(24.22,17.38) 24.43,17.38 24.64,17.17 U4.3
  TOP w0.3: C31.1 30.26,14 30.48,14.23 30.98,14.23 v1(31.31,14.55) 31.53,14.55 31.94,14.96 U3.25
  POWER w0.3: v1(31.31,14.55) 31.37,14.55 31.67,14.85 31.67,16.62 31.17,17.12 24.52,17.12 24.3,17.35 24.26,17.35 v1(24.22,17.38)
VDDRF1V55: length 34.5
  TOP w0.2: U4.2 25.57,17.54 25.37,17.74 25.09,17.74 v1(25.04,17.7)
  TOP w0.3: C30.1 34.5,13.23 v1(34.5,13.95) U3.29 ; U3.45 v1(39.27,19.59)
  TOP w0.64: C27.1 39.52,25.65 L3.2 v2(38.26,25.66) v2(37.36,25.66)
  POWER w0.3: v1(25.04,17.7) 25.12,17.62 33.77,17.62 34.5,16.9
  POWER w0.64: v2(38.26,25.66) 38.8,25.12 38.8,21.04 38.26,20.5 ; v1(39.27,19.59) 39.18,19.59 38.26,20.5 ; v1(34.5,13.95) 34.5,19.86 35.14,20.5 38.26,20.5
  BOTTOM w0.64: v2(38.26,25.66) v2(37.36,25.66)
+VIO: length 56.1
  TOP w0.2: R15.2 v1(49.13,31.05) ; U4.1 25.97,17.87 25.6,18.23 24.79,18.23 24.56,18 v1(23.69,18) 23.39,17.7 C40.1 23.39,16.46 23.7,16.16 24.46,16.16 24.68,16.37 U4.5 ; U3.11 33,22.19 32.69,22.5 32.69,22.88 ; v1(32.12,22.63) 32.43,22.63 32.69,22.88 ; C53.1 32.69,22.88 ; U7.1 60.92,11.86 61.15,11.63 C55.1 v1(61.34,10.86) ; C20.1 39.85,20.14 38.67,20.14 U3.46 ; U3.44 38.67,19.04 39.9,19.04 39.99,18.95 ; U1.C5 U1.B5 U1.A5
  TOP w0.3: U3.37 38.62,14.7 38.62,14.69 C14.2 39.06,14.03 39.34,14.31 v1(39.36,14.31) ; U3.28 34,14.39 33.4,13.79 C26.1 ; v1(33.85,11.49) 33.85,11.51 33.4,11.96 ; PB1.2 v1(19.91,1.31) PB1.1 ; R20.2 v1(71.82,26.33) ; v1(33.03,11.45) 33.03,11.49 33.4,11.86 33.4,11.96 ; R8.2 R7.2 v1(56.7,11.39) ; v1(55.92,18.31) J4.2 v1(58.33,18.31) ; U5.2 68.44,14.75 C49.1 v1(67.49,11.63) ; v1(15.35,30.59) 15.35,29.98 15.7,29.63 R21.2 ; 42.23,20.89 v1(41.71,20.36) ; 42.23,20.89 C10.2 ; 42.23,20.89 42.23,20.69 v1(42.55,20.38) ; J6.3 65.36,2.78 65.4,2.74 R9.1 v1(65.94,3.69) ; 33.4,11.96 C25.2 ; R16.2 v1(35.97,4.74)
  TOP w0.4: C26.1 C25.2
  TOP w0.5: L2.1 40.16,18.78 39.99,18.95 C20.1 C19.1 C11.2 C10.2
  BOTTOM w0.3: PB1.2 v1(19.91,1.31) PB1.1 ; J5.3 72.14,11.33 72.51,10.96 72.62,10.96 v1(72.7,10.88)
  vias: v2(50.56,27.35) v2(51.58,26.56) v2(52.3,27.28) v2(53.16,26.56) v2(54.01,27.16)
A0: length 21.8
  TOP w0.2: C7.1 v1(54.5,25.48) 54.64,25.48 54.66,25.46 U1.D5 ; v1(46.88,24.71) v1(48.94,24.71) ; U3.2 37.5,22.52 37.53,22.56 37.53,22.62 37.55,22.63 37.55,23.07 37.53,23.08 37.53,23.13 37.37,23.29 37.37,23.86 v1(37.35,23.86)
  BOTTOM w0.2: v1(48.94,24.71) 53.73,24.71 v1(54.5,25.48) ; v1(37.35,23.86) 37.37,23.88 37.37,24.51 37.57,24.71 v1(46.88,24.71)
A1: length 16.4
  TOP w0.15: U3.31 35.56,14.9 35.56,13.92 35.82,13.67 v1(35.82,13.37)
  BOTTOM w0.3: v1(35.82,13.37) 35.82,13.35 35.44,12.98 35.44,10.45 39.73,6.16 J1.7
A2: length 17
  TOP w0.15: U3.33 36.5,13.99 36.69,13.79 36.69,12.5 v1(36.38,12.19)
  BOTTOM w0.3: J1.6 42.27,5.86 36.38,11.76 v1(36.38,12.19)
A3: length 24.5
  TOP w0.2: v1(39.33,18.52) 39.26,18.59 U3.43
  TOP w0.3: v1(44.67,18.52) 44.67,14.3 44.13,13.75 44.13,3.55 44.81,2.86 J1.5
  BOTTOM w0.3: 39.39,18.58 v1(39.33,18.52) 44.61,18.52 44.62,18.52 v1(44.67,18.52)
BOLX: length 0.8
  TOP w0.2: U1.A4 U1.B4 U1.C4
BOOT: length 37.3
  TOP w0.1: U3.19 31.87,18.09 v1(30.47,18.09)
  TOP w0.3: R22.2 21.98,5.35 PB1.3 v1(19.91,3.46) PB1.4
  BOTTOM w0.2: v1(30.47,18.09) 30.27,17.89 30.27,3.41
  BOTTOM w0.3: PB1.3 v1(19.91,3.46) PB1.4 ; 30.27,3.41 29.65,2.79 29.57,2.79
  BOTTOM w0.4: J1.11 29.57,2.79 28.9,3.46 PB1.3
BULX: length 0.8
  TOP w0.2: U1.A2 U1.B2 U1.C2
BUTTON1: length 87.8
  TOP w0.1: U3.38 38.92,16.09 39.23,15.77 v1(39.23,15.15)
  TOP w0.2: v1(68.37,9.1) 68.46,9.19 73.52,9.19 75.25,10.92 75.25,22.02 74.6,22.66 72.2,22.66 71.81,23.05 71.81,24.13 R20.1
  TOP w0.3: PB2.4 PB2.3 74.53,23.17 74.5,23.14 v1(74.5,23.19) TVS1.1 73.93,24.01 73.81,24.13 C22.1 71.82,24.13 R20.1 ; v1(53.3,4.82) 52.46,3.98 52.46,0.68 J1.2
  BOTTOM w0.2: 55.3,4.82 59.15,4.82 59.45,5.12 59.45,8.02 60.29,8.86 68.13,8.86 v1(68.37,9.1)
  BOTTOM w0.3: PB4.4 PB4.3 74.87,25.4 75.21,25.05 75.21,23.6 74.8,23.19 v1(74.5,23.19) ; 55.3,4.82 v1(53.3,4.82) 48.23,4.82 47.04,6 47.04,6.05 46.14,6.95 46.14,9.8 47.04,10.69 47.04,12.45 44.35,15.15 v1(39.23,15.15)
FE_CTRL1: length 21.4
  TOP w0.1: U3.16 30.47,19.59 30.47,19.6 ; R31.1 29.32,26.25 30.3,25.26 30.3,19.76 30.47,19.6 ; 30.47,19.6 v1(30.48,19.6)
  TOP w0.2: v1(24.14,16.69) 24.22,16.77 U4.4 ; U4.8 v1(26.57,15.7)
  BOTTOM w0.2: 26.47,16.28 26.07,16.69 v1(24.14,16.69) ; 26.47,16.28 26.47,18.63 27.42,19.59 30.47,19.59 30.47,19.6 v1(30.48,19.6) ; 26.47,16.28 26.57,16.19 v1(26.57,15.7)
FE_CTRL2: length 9.8
  TOP w0.1: R32.2 29.88,25.13 30,25 30,19.4 30.32,19.09 U3.17
FE_CTRL3: length 19.5
  TOP w0.2: U3.6 v1(35.5,22.45) ; v1(21.26,26.09) 22.33,26.09 R34.2
  BOTTOM w0.2: v1(21.26,26.09) 21.26,26.45 21.59,26.77 31.55,26.77 31.72,26.6 31.72,24.53 32.36,23.89 33.95,23.89 35.39,22.45 v1(35.5,22.45)
I2C2_SCL: length 75
  TOP w0.159: U3.35 37.5,11.88 37.77,11.6 41.52,11.6 42.29,10.83 v1(42.56,10.83)
  TOP w0.2: v1(59.64,10.47) 59.64,10.47 59.88,10.71 U7.11 ; J4.4 58.44,16.31 58.71,16.04 v1(59.3,16.04)
  TOP w0.3: J4.4 57.12,15.75 56.7,15.32 R7.1 57.06,13.33 57.36,13.03 57.36,7.34 56.15,6.13 v1(45.37,6.13) ; J2.6 39.75,34.95 39.75,31.23 43.88,27.09 43.88,22.59 45.83,20.64 45.83,10.06 45.37,9.6 45.37,9.18 45.33,9.14 v1(45.34,9.14)
  BOTTOM w0.2: v1(59.64,10.47) 59.64,10.45 59.88,10.7 59.88,15.46 v1(59.3,16.04)
  BOTTOM w0.3: v1(45.34,9.14) 45.33,9.14 ; 45.33,9.14 45.32,9.13 44.53,9.13 44.52,9.12 42.81,10.83 v1(42.56,10.83) ; 45.33,9.14 45.37,9.11 v1(45.37,6.13)
